# Altium PCB AT short bus ( 7 x 4.2 inches).PCBDOC (part 1 of 4)
Units mil, origin at the board's own origin, x right, y up, seen from the top; angles counter-clockwise.
Board outline 7000 x 4200 mil, 2 copper layers (TopLayer, BottomLayer), stack 65.792 mil thick; 180 components, 429 nets, 1316 pads, 545 vias.
Unrouted connection lines stored in the file: 1.
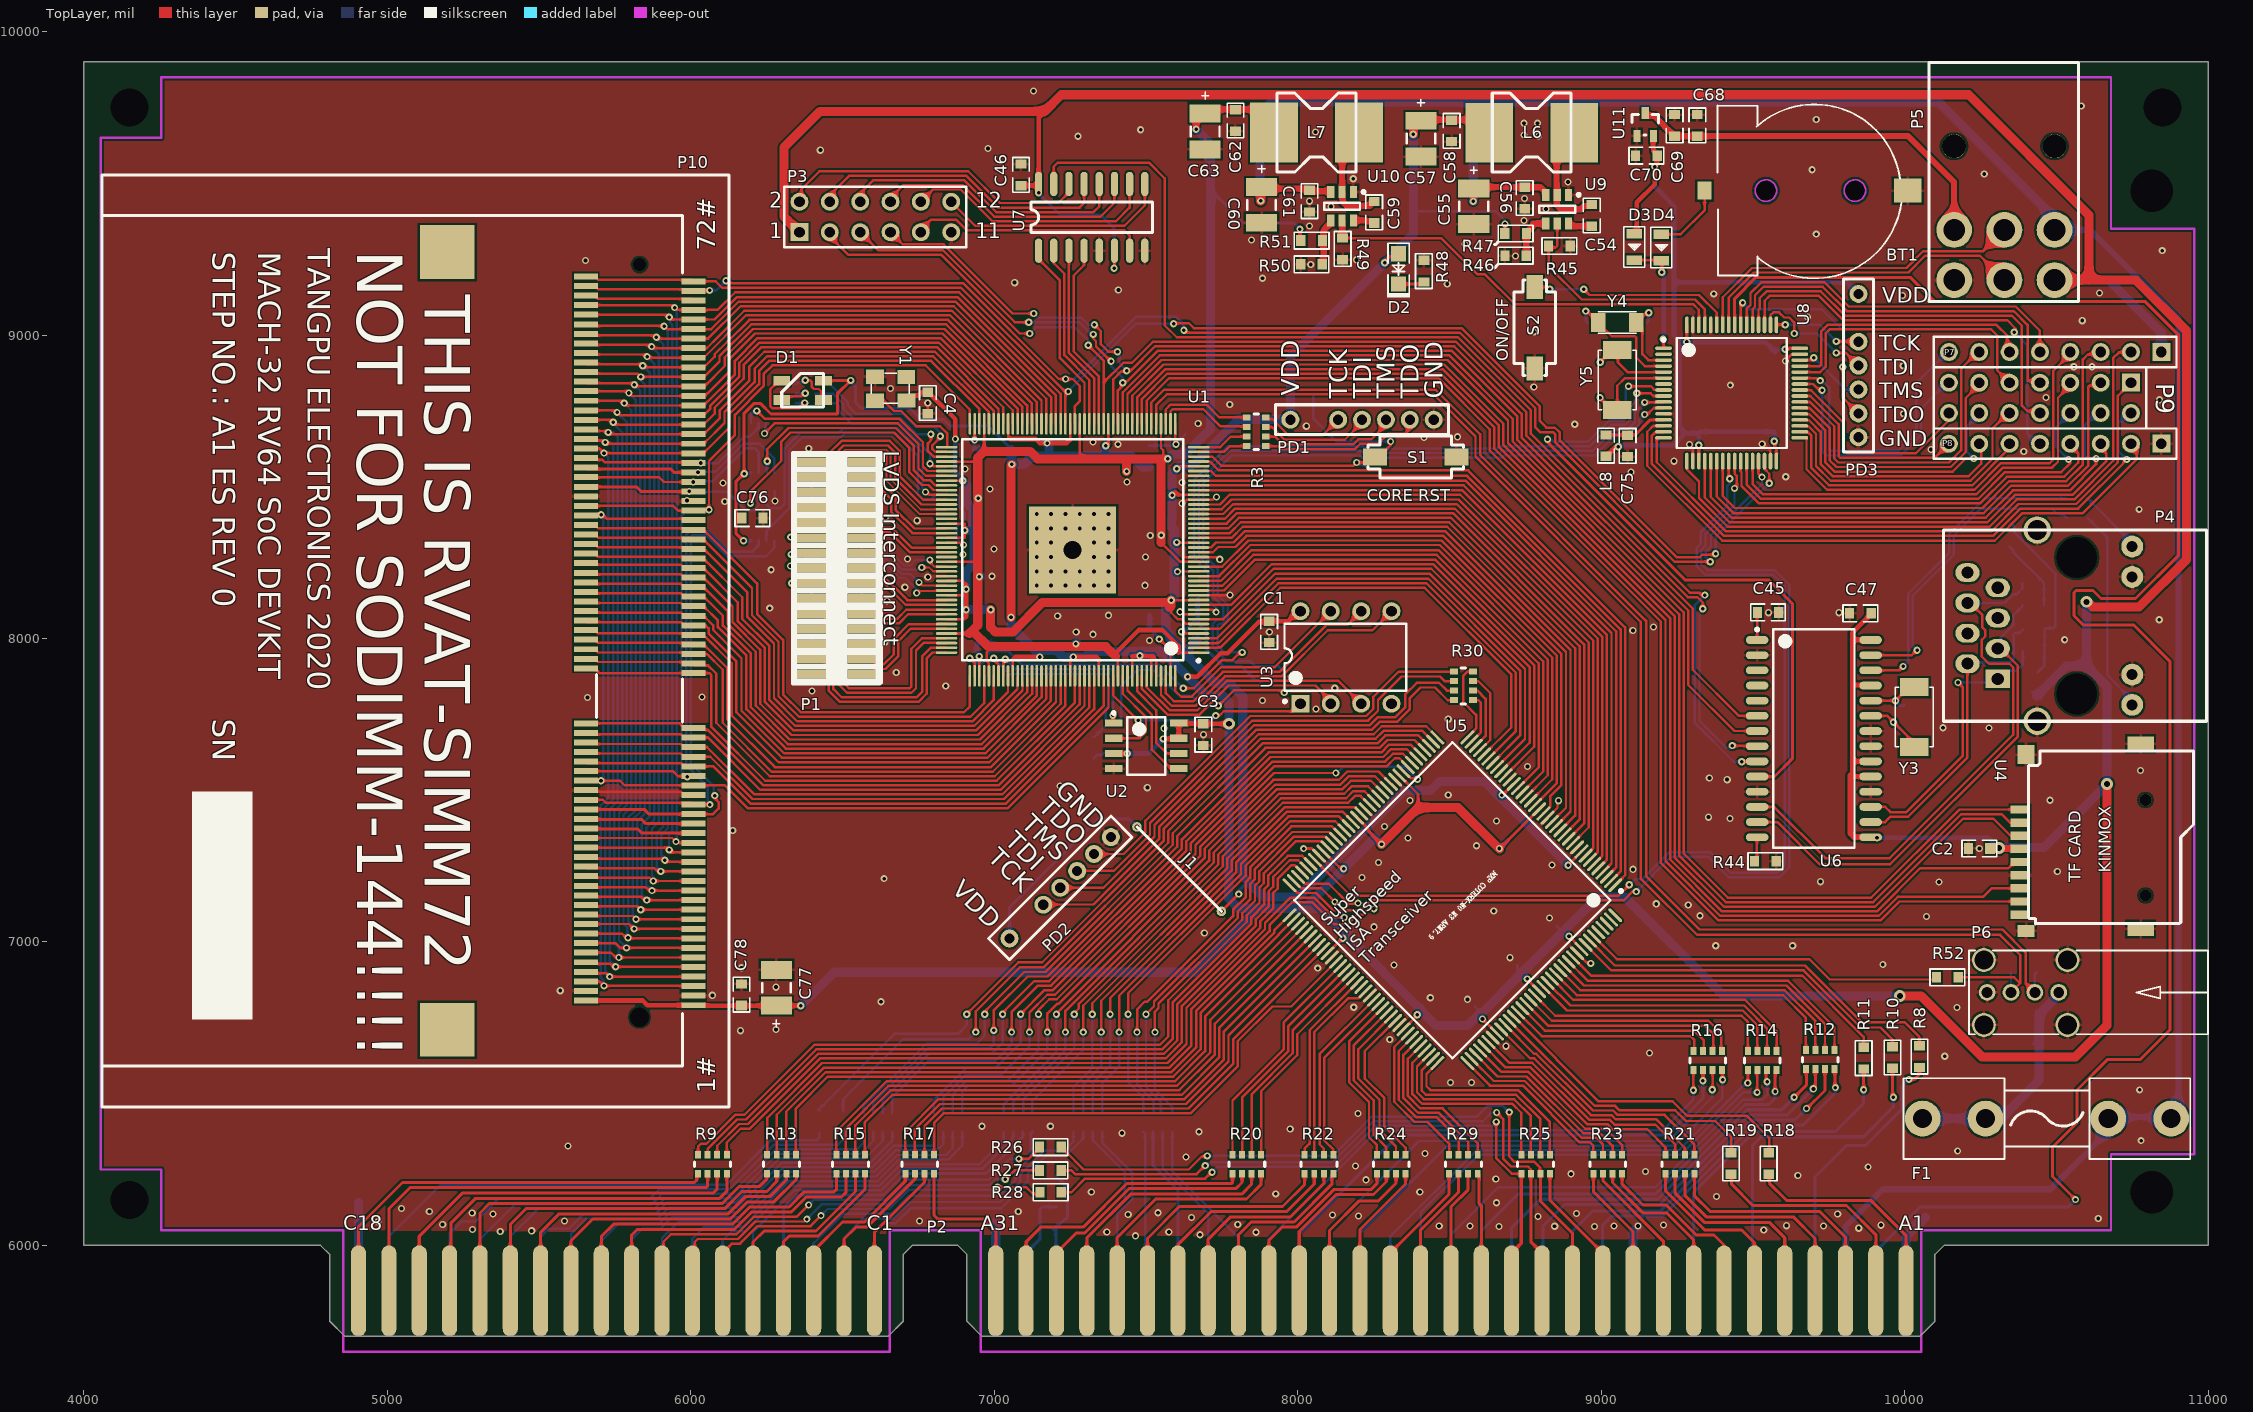
[diagram p0: TopLayer view]
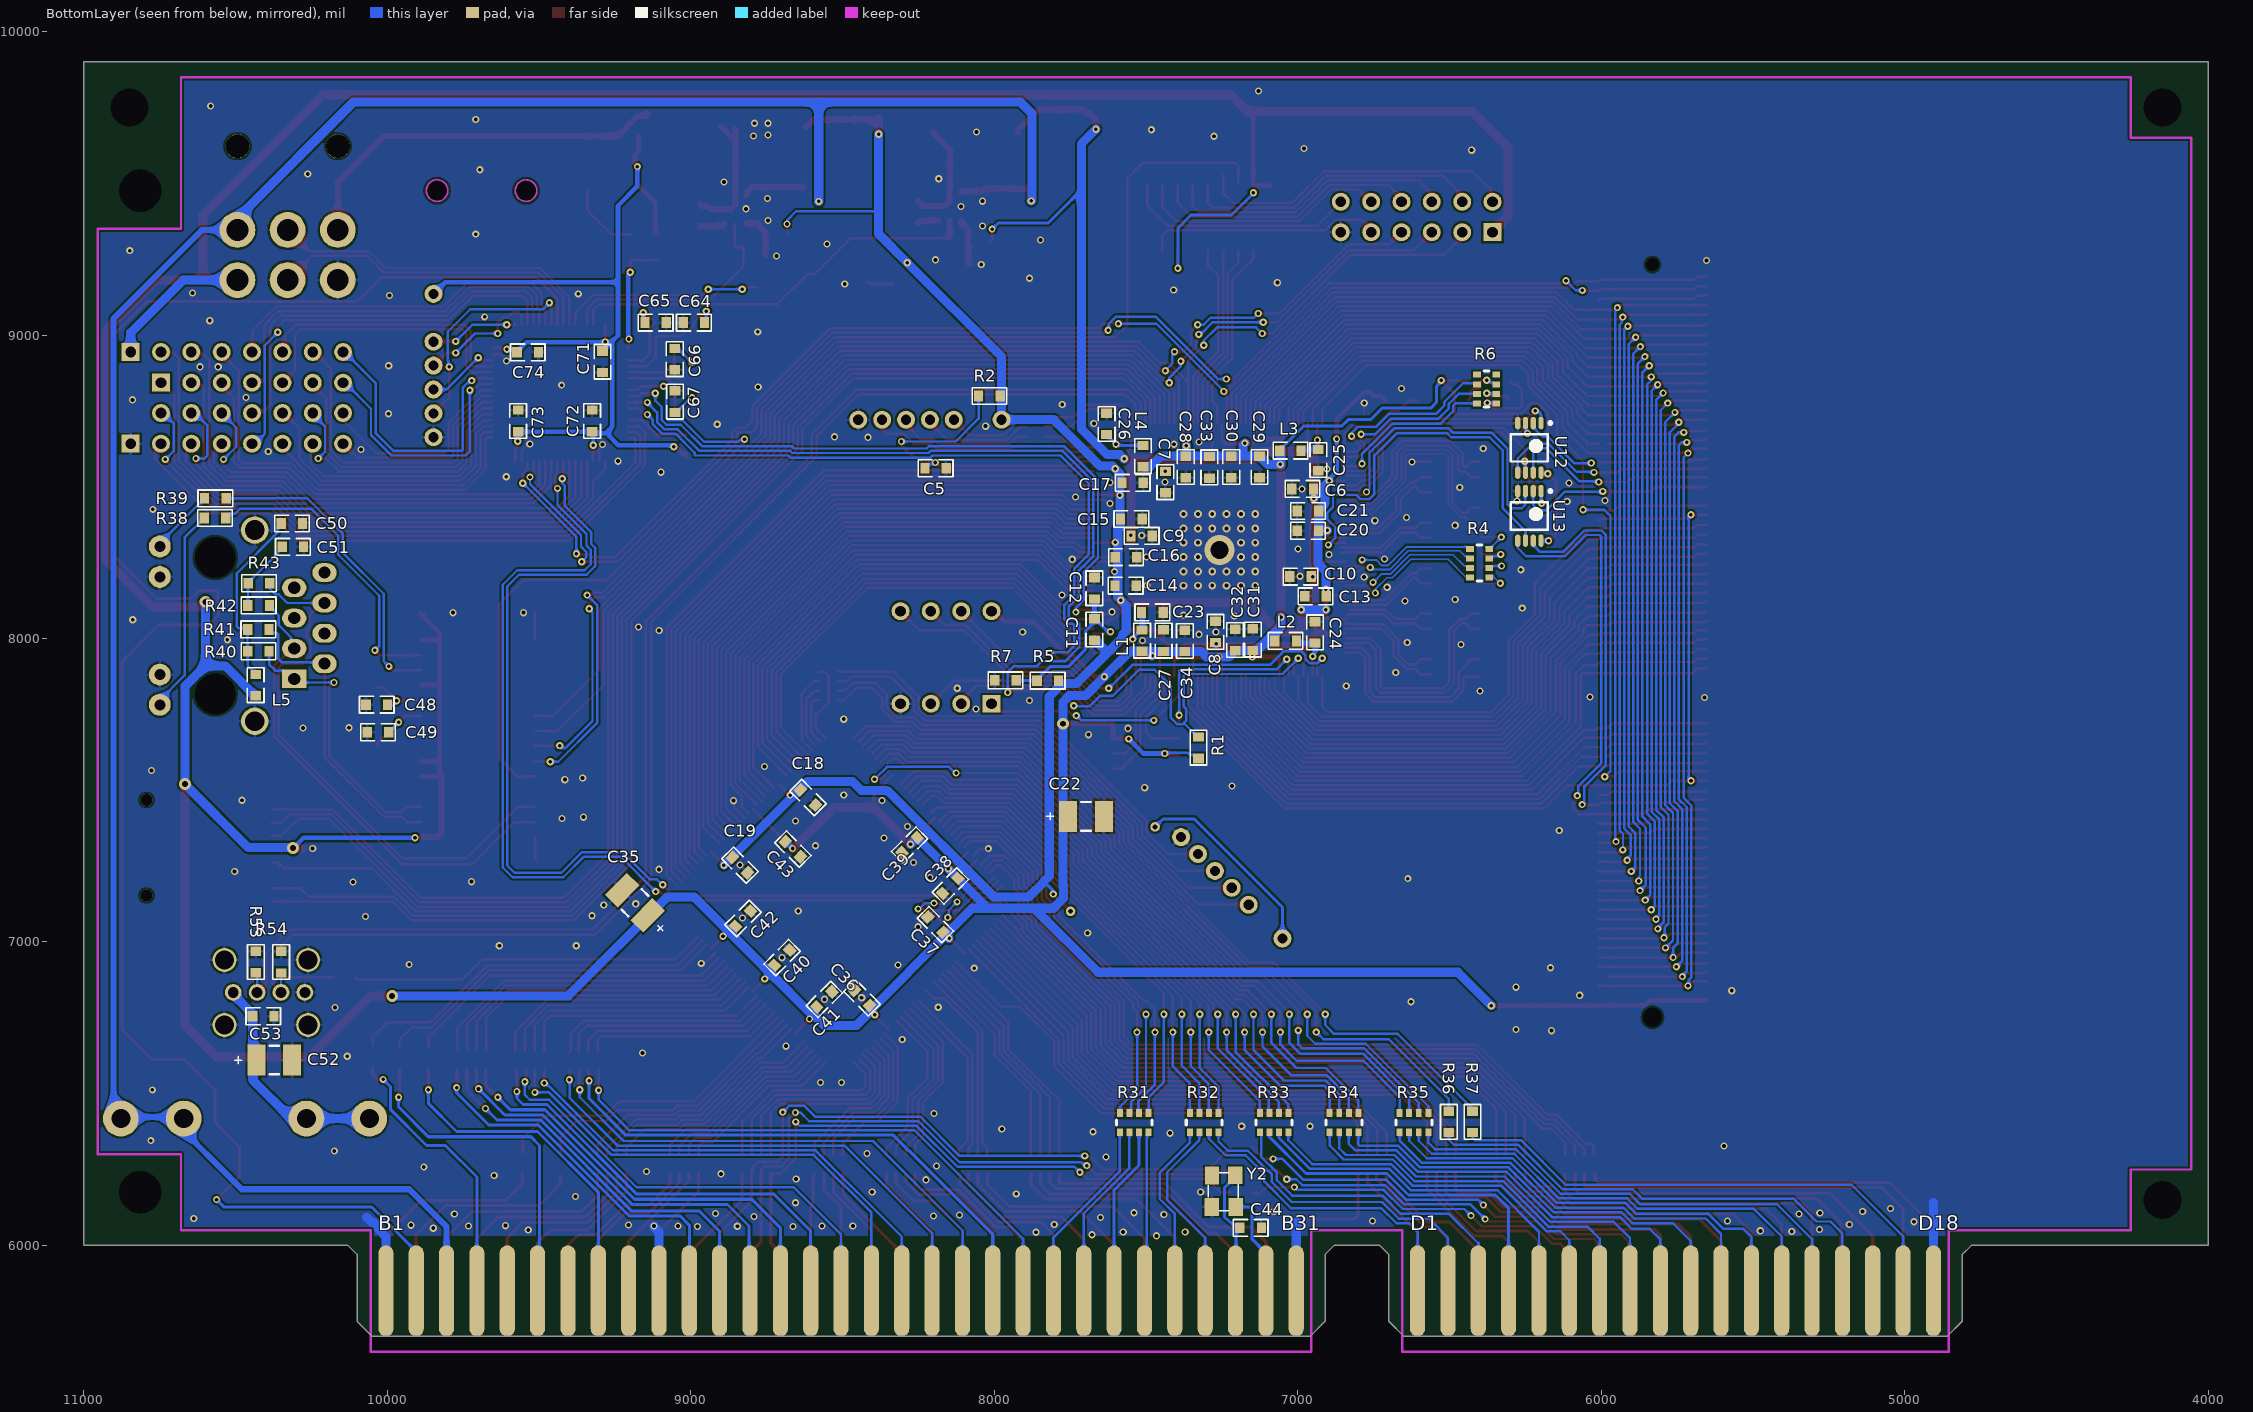
[diagram p1: BottomLayer view, seen from below]

## Layer stack, top to bottom
TopSolder: solder mask 0.4, Solder Resist, Dk 3.5
TopLayer: signal copper 1.4
Dielectric5: core 62.9921, FR-4, Dk 4.8
BottomLayer: signal copper 1.4
BottomSolder: solder mask 0.4, Solder Resist, Dk 3.5

## Board outline
4000,6000 4780,6000 4810,5970 4810,5750 4860,5700 6650,5700 6700,5750 6700,5970 6730,6000 6880,6000 6910,5970 6910,5750 6960,5700 10050,5700 10100,5750 10100,5970 10130,6000 11000,6000 11000,9900 4000,9900

## Design rules (kind name [scope] priority, off if disabled: settings)
Clearance [All] p1: gap=7 ignorepadtopadclearanceinfootprint=FALSE
ComponentClearance [All] p1 off: gap=10 collisioncheckmode=3 verticalgap=10 showdistances=FALSE
DiffPairsRouting [All] p1: maxlimit=10 minlimit=7 mostfreqgap=10 toplayer_minwidth=6 toplayer_maxwidth=15 toplayer_prefwidth=8 bottomlayer_minwidth=6 bottomlayer_maxwidth=15 bottomlayer_prefwidth=8 maxuncoupledlength=500
FabricationTestPointUsage TestPointUsage [All] p1: valid=0 allowmultiple=FALSE
FabricationTestpoint Testpoint [All] p1: side=3 testpointundercomponent=TRUE minsize=40 maxsize=100 preferedsize=60 minholesize=20 maxholesize=40 preferedholesize=32 testpointgrid=1 allowsidetop=TRUE allowsidebottom=TRUE usegrid=TRUE gridtolerance=0.01
PasteMaskExpansion PasteMaskExpansion_1 [InComponent('P1')] p1: expansion=-150
PasteMaskExpansion [All] p2: expansion=0
PlaneClearance [All] p1: clearance=10
PlaneConnect [All] p1: pad.planeconnectstyle=Relief pad.reliefexpansion=20 pad.reliefentries=4 pad.reliefconductorwidth=10 pad.reliefairgap=10 via.planeconnectstyle=Direct via.reliefexpansion=20 via.reliefentries=4 via.reliefconductorwidth=10 via.reliefairgap=10
PolygonConnect [All] p1: thpad.connectstyle=Relief thpad.reliefconductorwidth=10 thpad.reliefentries=4 thpad.polygonreliefangle="90 Angle" thpad.airgapwidth=7 smdpad.connectstyle=Relief smdpad.reliefconductorwidth=10 smdpad.reliefentries=4 smdpad.polygonreliefangle="90 Angle" smdpad.airgapwidth=7 via.connectstyle=Direct via.reliefconductorwidth=10 via.reliefentries=4 via.polygonreliefangle="90 Angle" via.airgapwidth=10
RoutingVias [All] p1: holewidth=11.81 width=23.62 viastyle="Through Hole" minholewidth=11.81 minwidth=23.62 maxholewidth=28 maxwidth=50
SilkToSolderMaskClearance SilkscreenOverComponentPads [IsPad] p1: minsilkscreentomaskgap=10 clearancetoexposedcopper=TRUE
SolderMaskExpansion [All] p1: expansion=2
Width [All] p1: maxlimit=30 minlimit=6 preferedwidth=10
22 further rules are at their usual default settings.

## Classes and differential pairs
component class MEM: C76 C77 C78 C? P10 P? U12 U13
component class MISC: BT1 BT? C45 C46 C47 C48 C49 C50 C51 C52 C53 C54 C55 C56 C57 C58 C59 C60 C61 C62 C63 C64 C65 C66 C67 C68 C69 C70 C71 C72 C73 C74 C75 C? D2 D3 D4 D? F1 F? J1 J? L5 L6 L7 L8 L? P3 P4 P5 P6 P7 P8 P9 P? PD3 PD? R38 R39 R40 R41 R42 R43 R44 R45 R46 R47 R48 R49 R50 R51 R52 R53 R54 S2 S? U6 U7 U8 U9 U10 U11 Y3 Y4 Y5 Y?
component class FPGA_CorePeripherals: C1 C2 C3 C4 C5 C6 C7 C8 C9 C10 C11 C12 C13 C14 C15 C16 C17 C18 C19 C20 C21 C22 C23 C24 C25 C26 C27 C28 C29 C30 C31 C32 C33 C34 C? D1 D? L1 L2 L3 L4 L? P1 P? PD1 PD? R1 R2 R3 R4 R5 R6 R7 S1 S? U1 U2 U3 U4 Y1 Y?
component class "AT short bus ( 7 x 4.2 inches)": C35 C36 C37 C38 C39 C40 C41 C42 C43 C44 C? P2 P? PD2 PD? R8 R9 R10 R11 R12 R13 R14 R15 R16 R17 R18 R19 R20 R21 R22 R23 R24 R25 R26 R27 R28 R29 R30 R31 R32 R33 R34 R35 R36 R37 U5 Y2 Y?
differential pair LVDS3: +LVDS3_P -LVDS3_N
differential pair LVDSC: +LVDSC_P -LVDSC_N
differential pair LVDS7: +LVDS7_P -LVDS7_N
differential pair LVDS6: +LVDS6_P -LVDS6_N
differential pair LVDS5: +LVDS5_P -LVDS5_N
differential pair LVDS4: +LVDS4_P -LVDS4_N
differential pair LVDS2: +LVDS2_P -LVDS2_N
differential pair LVDS1: +LVDS1_P -LVDS1_N
differential pair LVDS0: +LVDS0_P -LVDS0_N
differential pair USB: +USB_P -USB_N

## Components (designator, comment, footprint, x,y, rotation, side; value= is the part's Value field where it differs from the comment)
BT1 "Battery" BAT-CR1220 9543,9476 r270 top locked
C1 "Cap" 0603C 7906,8022 r90 top value=0.1u
C2 "Cap" 0603C 10246,7308 r0 top value=0.1u
C3 "Cap" 0603C 7689,7683 r90 top value=0.1u
C4 "Cap" 0603C 6781,8776 r90 top value=0.1u
C5 "Cap" 0603C 8193,8561 r180 bottom value=0.1u
C6 "Cap" 0603C 6984,8493 r0 bottom value=0.1u
C7 "Cap" 0603C 7436,8515 r270 bottom value=0.1u
C8 "Cap" 0603C 7271,8022 r90 bottom value=0.1u
C9 "Cap" 0603C 7514.43,8338 r180 bottom value=0.1u
C10 "Cap" 0603C 6991,8204 r0 bottom value=0.1u
C11 "Cap" 0603C 7670,8029.57 r90 bottom value=0.1u
C12 "Cap" 0603C 7670,8165.57 r90 bottom value=0.1u
C13 "Cap" 0603C 6941.57,8139 r0 bottom value=0.1u
C14 "Cap" 0603C 7567,8174 r180 bottom value=0.1u
C15 "Cap" 0603C 7548.43,8393.7 r180 bottom value=0.1u
C16 "Cap" 0603C 7566,8268 r180 bottom value=0.1u
C17 "Cap" 0603C 7544,8513 r180 bottom value=0.1u
C18 "Cap" 0603C 8614,7476 r225 bottom value=0.1u
C19 "Cap" 0603C 8838,7253 r225 bottom value=0.1u
C20 "Cap" 0603C 6966.43,8355 r0 bottom value=0.1u
C21 "Cap" 0603C 6966,8420 r0 bottom value=0.1u
C22 "330u" TanCap-1210 7698,7414 r180 bottom value=330uF
C23 "Cap" 0603C 7479,8086 r180 bottom value=0.1u
C24 "Cap" 0603C 6943,8020.43 r90 bottom locked value=0.1u
C25 "Cap" 0603C 6932,8588 r270 bottom value=0.1u
C26 "Cap" 0603C 7630,8707 r90 bottom value=0.1u
C27 "Cap" 0603C 7442,7993 r90 bottom value=0.1u
C28 "Cap" 0603C 7369,8565 r270 bottom value=0.1u
C29 "Cap" 0603C 7126,8565 r270 bottom value=0.1u
C30 "Cap" 0603C 7219,8565 r270 bottom value=0.1u
C31 "Cap" 0603C 7148,7996 r90 bottom value=0.1u
C32 "Cap" 0603C 7206,7995 r90 bottom value=0.1u
C33 "Cap" 0603C 7291,8564 r270 bottom value=0.1u
C34 "Cap" 0603C 7372,7992 r90 bottom value=0.1u
C35 "330u" TanCap-1210 9184,7129 r45 bottom value=330uF
C36 "Cap" 0603C 8435.95,6815.95 r45 bottom value=0.1u
C37 "Cap" 0603C 8194,7057 r45 bottom value=0.1u
C38 "Cap" 0603C 8145,7185 r315 bottom value=0.1u
C39 "Cap" 0603C 8279,7319 r315 bottom value=0.1u
C40 "Cap" 0603C 8699,6948 r135 bottom value=0.1u
C41 "Cap" 0603C 8560,6811 r135 bottom value=0.1u
C42 "Cap" 0603C 8828,7077 r135 bottom value=0.1u
C43 "Cap" 0603C 8663.78,7305.89 r225 bottom value=0.1u
C44 "Cap" 0603C 7155,6058 r0 bottom value=0.1u
C45 "Cap" 0603C 9550,8086 r0 top value=10uF
C46 "Cap" 0603C 7088,9528 r270 top value=0.1u
C47 "Cap" 0603C 9854,8083 r0 top value=0.1u
C48 "Cap" 0603C 10035,7782 r0 bottom value=30pF
C49 "Cap" 0603C 10031,7691 r0 bottom value=30pF
C50 "Cap" 0603C 10314.57,8379 r0 bottom value=103
C51 "Cap" 0603C 10311.57,8302 r0 bottom value=103
C52 "330u" TanCap-1210 10372.83,6610.63 r180 bottom value=330uF
C53 "106" 0603C 10409.06,6755.12 r0 bottom value=33uF
C54 "104" 0603C 8969,9394.19 r270 top value=100nF
C55 "330u" TanCap-1210 8580.18,9424.42 r270 top
C56 "106" 0603C 8748,9451.57 r90 top value=10uF
C57 "330u" TanCap-1210 8406,9647 r270 top value=330uF
C58 "106" 0603C 8507,9673 r90 top value=33uF
C59 "104" 0603C 8251.82,9404.58 r270 top value=100nF
C60 "330u" TanCap-1210 7880.82,9429.15 r270 top
C61 "106" 0603C 8038.82,9441.15 r90 top value=10uF
C62 "330u" TanCap-1210 7694.82,9671.15 r270 top value=330uF
C63 "106" 0603C 7794.82,9707.15 r90 top value=33uF
C64 "Cap" 0603C 8990.01,9041 r0 bottom value=6pF
C65 "Cap" 0603C 9115.99,9041 r180 bottom value=6pF
C66 "Cap" 0603C 9053,8920.43 r270 bottom value=6pF
C67 "Cap" 0603C 9052,8780.57 r90 bottom value=6pF
C68 "Cap" 0603C 9317,9691 r270 top value=10u
C69 "Cap" 0603C 9242,9691 r270 top value=0.1u
C70 "Cap" 0603C 9149,9591 r0 top value=0.1u
C71 "Cap" 0603C 9291,8912 r90 bottom value=10u
C72 "Cap" 0603C 9325,8717 r270 bottom value=0.1u
C73 "Cap" 0603C 9569,8717 r270 bottom value=0.1u
C74 "Cap" 0603C 9537.43,8943 r0 bottom value=0.1u
C75 "Cap" 0603C 9087,8635 r90 top locked value=0.1u
C76 "Cap" 0603C 6202.76,8396.85 r180 top value=0.1u
C77 "330u" TanCap-1210 6282,6849 r90 top value=330uF
C78 "106" 0603C 6167,6826 r270 top value=33uF
D1 "RGB_LED_3528_CA" LED3528-RGB 6368.57,8817.35 r0 top
D2 "LED0" 0805LED1 8332.28,9217.72 r270 top
D3 "MSCD102H" 0805LED2 9109,9333.61 r270 top
D4 "MSCD102H" 0805LED2 9198,9332 r270 top
F1 "Fuse 2" Fusebux_5x20 10877.79,6419.06 r180 top locked
J1 "Jumper" "Jumper 10mm" 7748.47,7100.75 r135 top
L1 "Inductor" 0603C 7513,7993 r270 bottom value=BEAD
L2 "Inductor" 0603C 7040,7992 r0 bottom value=BEAD
L3 "Inductor" 0603C 7024,8619 r0 bottom value=BEAD
L4 "Inductor" 0603C 7510,8601 r270 bottom value=BEAD
L5 "Inductor" 0603C 10434,7846 r270 bottom value=BEAD
L6 "10uH" PIND0650 8771,9667 r180 top
L7 "10uH" PIND0650 8061.82,9667.15 r180 top
L8 "Inductor" 0603C 9016,8635.43 r270 top locked value=BEAD
P1 "Header 15X2" BTB_1.27mm_2x10_SMT 6397.65,8582 r0 top locked
P2 "PCATEDGE" PCATEDGE 10005,5850 r0 top locked
P3 "Header 6X2" HDR2X6 6358,9339 r0 top
P4 "HR911105A" HR911105A 10307.09,7867 r0 top locked
P5 "Header 3X2" PWRCONN-6P 10163.29,9346.41 r270 top locked
P6 "USB_A_1" USB-A_1 10508,6834 r90 top locked
P7 "Header 8" HDR1X8 10846,8944 r180 top locked
P8 "Header 8" HDR1X8 10846,8642 r180 top locked
P9 "Header 7X2" HDR2X7_U 10746,8843 r180 top locked
P10 "AT_SIMM72" ATSIMM72 4986.17,8051.94 r90 top locked
PD1 "JTAG" DBGP7 7975.78,8721 r90 top locked
PD2 "JTAG" DBGP7 7050.29,7011.29 r135 top
PD3 "JTAG" DBGP7 9848,9135.48 r0 top locked
R1 "Res1" 0603R 7327,7640 r270 bottom value=10K
R2 "Res1" 0603R 8016,8799 r180 bottom value=10K
R3 "33" YC164 7894.99,8728.5 r270 top
R4 "1K" YC164 6431.99,8201.01 r90 bottom
R5 "Res1" 0603R 7823.87,7861 r0 bottom value=10K
R6 "330" YC164 6409.13,8774.74 r90 bottom locked
R7 "Res1" 0603R 7963,7862 r0 bottom value=10K
R8 "Res1" 0603R 10049,6622 r90 top value=1K
R9 "1K" YC164 6024.01,6298.99 r0 top
R10 "Res1" 0603R 9960,6619 r90 top value=1K
R11 "Res1" 0603R 9865,6617 r90 top value=1K
R12 "1K" YC164 9769,6581 r180 top
R13 "1K" YC164 6251.67,6298.99 r0 top
R14 "1K" YC164 9577.99,6578.01 r180 top
R15 "1K" YC164 6479.34,6298.99 r0 top
R16 "1K" YC164 9398.57,6578.01 r180 top
R17 "1K" YC164 6707.01,6298.99 r0 top
R18 "Res1" 0603R 9552,6270 r90 top value=1K
R19 "Res1" 0603R 9428,6270 r90 top value=1K
R20 "1K" YC164 7785.01,6298.99 r0 top
R21 "1K" YC164 9306.99,6236 r180 top
R22 "1K" YC164 8022.92,6298.99 r0 top
R23 "1K" YC164 9069.08,6236 r180 top
R24 "1K" YC164 8260.84,6298.99 r0 top
R25 "1K" YC164 8831.16,6236 r180 top
R26 "Res1" 0603R 7185,6324 r0 top value=0R
R27 "Res1" 0603R 7185,6247 r0 top value=0R
R28 "Res1" 0603R 7186,6175 r0 top value=0R
R29 "1K" YC164 8498.76,6298.99 r0 top
R30 "33" YC164 8515.01,7796.5 r90 top
R31 "1K" YC164 7586,6436 r180 bottom
R32 "1K" YC164 7355.54,6436 r180 bottom
R33 "1K" YC164 7125.09,6436 r180 bottom
R34 "1K" YC164 6894.63,6436 r180 bottom
R35 "1K" YC164 6664.17,6436 r180 bottom
R36 "Res1" 0603R 6502,6407 r90 bottom value=1K
R37 "Res1" 0603R 6424,6407 r90 bottom value=1K
R38 "Res1" 0603R 10568,8397 r180 bottom value=330
R39 "Res1" 0603R 10567,8462 r180 bottom value=330
R40 "Res1" 0603R 10425,7958 r0 bottom value=50R
R41 "Res1" 0603R 10425.43,8030 r0 bottom value=50R
R42 "Res1" 0603R 10424,8109 r0 bottom value=50R
R43 "Res1" 0603R 10423,8182 r0 bottom value=50R
R44 "Res1" 0603R 9541,7266 r0 top value=2K
R45 "10K" 0603R 8862.18,9293.42 r0 top
R46 "3K2" 0603R 8718,9261.62 r0 top value=4.7K
R47 "10K" 0603R 8718,9334.62 r180 top value=10k
R48 "Res1" 0603R 8415.75,9210.63 r90 top value=330
R49 "10K" 0603R 8147.82,9284.15 r270 top
R50 "3K2" 0603R 8045.39,9233.15 r0 top value=5.4k
R51 "10K" 0603R 8045.82,9311.15 r180 top value=3k
R52 "Res1" 0603R 10140.7,6883.5 r0 top value=1.5K
R53 "Res1" 0603R 10433.6,6933.9 r90 bottom value=15K
R54 "Res1" 0603R 10349.9,6933.6 r90 bottom value=15K
S1 "SW-PB" Switch_SMT-022S-H2.5 8389,8598 r0 top
S2 "SW-PB" Switch_SMT-022S-H2.5 8781,9024 r270 top
U1 "EG4S10DDR" EQFP176 7258,8292 r180 top locked
U2 "W25Q16" SOP8N-127P600X200 7501,7646 r0 top locked
U3 "W25Q64" DIP8 8159,7943 r90 top locked
U4 "SD_Card" TF_self-eject 10380.36,7436.46 r90 top locked
U5 "ELF-650" LQFP144-1 9046.24,7186.78 r225 top locked
U6 "ENC28J60" SOIC28P1040X265 9701,7670 r0 top locked
U7 "74LVC138" SO-16 7146,9278 r90 top locked
U8 "GD32VF103Rx" QFP12X12-64(N) 9430,8809 r0 top locked
U9 "MP1470" SOT95P245X110-6N 8855,9414.76 r270 top
U10 "MP1470" SOT95P245X110-6N 8146.24,9424.34 r270 top
U11 "PT5110-3V3" SOT323-N 9145,9694 r0 top
U12 "74LVC3G17" TSSOP-8N_3x3 6236.61,8628.35 r270 bottom locked
U13 "74LVC3G17" TSSOP-8N_3x3 6236.61,8404.13 r270 bottom locked
Y1 "Osc 50MM" XTAL-3225 6659,8823 r270 top
Y2 "Osc 14.318M" XTAL-3225 7244,6179 r180 bottom
Y3 "25M" XTAL-5032 10032,7741 r270 top
Y4 "32768" XTAL-3215 9053,9041 r0 top locked
Y5 "8M" XTAL-5032 9053,8852 r270 top locked

## Footprints (in the part's own frame and the unit in brackets; to place one, negate y for a bottom-side part, rotate by r counter-clockwise, add the part's x,y. Pads: shape width x height; smd on the part's side, far side on the other; paste and mask are expansions set on the pad)
0603C [mm]
  rect 0.762x0.9 smd: 1(-0.9,0)
  rect 0.8x0.9 smd: 2(0.9,0)
  silkscreen extent -1.45,-0.7 1.45,0.7
0603R [mm]
  rect 0.762x0.9 smd: 1(-0.9,0)
  rect 0.8x0.9 smd: 2(0.9,0)
  silkscreen extent -1.45,-0.7 1.45,0.7
0805LED1 [mil]
  rect 50x50 smd: 1(-50,0) 2(50,0)
  silkscreen extent -85,-37 94,37
0805LED2 [mm]
  rect 0.8x1.27 smd: 1(0,0) 2(2.2,0)
  silkscreen extent -0.6,-0.89 2.8,0.89
ATSIMM72 [mm]
  rect 4.5x4.6 smd: 0(-34.07,-5.363) 0(31.03,-5.363)
  round 0.5 hole 1.6: 0(-33.02,-21.463)
  round 0.5 hole 1.1: 0(29.98,-21.463)
  rect 0.5x2 smd: 1(-32.02,-25.963) 1(-31.62,-16.963) 2(-31.22,-25.963) 2(-30.82,-16.963) 3(-30.42,-25.963) 3(-30.02,-16.963) 4(-29.62,-25.963) 4(-29.22,-16.963) 5(-28.82,-25.963) 5(-28.42,-16.963) 6(-28.02,-25.963) 6(-27.62,-16.963) 7(-27.22,-25.963) 7(-26.82,-16.963) 8(-26.42,-25.963) 8(-26.02,-16.963) 9(-25.62,-25.963) 9(-25.22,-16.963) 10(-24.82,-25.963) 10(-24.42,-16.963) 11(-24.02,-25.963) 11(-23.62,-16.963) 12(-23.22,-25.963) 12(-22.82,-16.963) 13(-22.42,-25.963) 13(-22.02,-16.963) 14(-21.62,-25.963) 14(-21.22,-16.963) 15(-20.82,-25.963) 15(-20.42,-16.963) 16(-20.02,-25.963) 16(-19.62,-16.963) 17(-19.22,-25.963) 17(-18.82,-16.963) 18(-18.42,-25.963) 18(-18.02,-16.963) 19(-17.62,-25.963) 19(-17.22,-16.963) 20(-16.82,-25.963) 20(-16.42,-16.963) 21(-16.02,-25.963) 21(-15.62,-16.963) 22(-15.22,-25.963) 22(-14.82,-16.963) 23(-14.42,-25.963) 23(-14.02,-16.963) 24(-13.62,-25.963) 24(-13.22,-16.963) 25(-12.82,-25.963) 25(-12.42,-16.963) 26(-12.02,-25.963) 26(-11.62,-16.963) 27(-11.22,-25.963) 27(-10.82,-16.963) 28(-10.42,-25.963) 28(-10.02,-16.963) 29(-9.62,-25.963) 29(-9.22,-16.963) 30(-8.82,-25.963) 30(-8.42,-16.963) 31(-4.22,-25.963) 31(-3.82,-16.963) 32(-3.42,-25.963) 32(-3.02,-16.963) 33(-2.62,-25.963) 33(-2.22,-16.963) 34(-1.82,-25.963) 34(-1.42,-16.963) 35(-1.02,-25.963) 35(-0.62,-16.963) 36(-0.22,-25.963) 36(0.18,-16.963) 37(0.58,-25.963) 37(0.98,-16.963) 38(1.38,-25.963) 38(1.78,-16.963) 39(2.18,-25.963) 39(2.58,-16.963) 40(2.98,-25.963) 40(3.38,-16.963) 41(3.78,-25.963) 41(4.18,-16.963) 42(4.58,-25.963) 42(4.98,-16.963) 43(5.38,-25.963) 43(5.78,-16.963) 44(6.18,-25.963) 44(6.58,-16.963) 45(6.98,-25.963) 45(7.38,-16.963) 46(7.78,-25.963) 46(8.18,-16.963) 47(8.58,-25.963) 47(8.98,-16.963) 48(9.38,-25.963) 48(9.78,-16.963) 49(10.18,-25.963) 49(10.58,-16.963) 50(10.98,-25.963) 50(11.38,-16.963) 51(11.78,-25.963) 51(12.18,-16.963) 52(12.58,-25.963) 52(12.98,-16.963) 53(13.38,-25.963) 53(13.78,-16.963) 54(14.18,-25.963) 54(14.58,-16.963) 55(14.98,-25.963) 55(15.38,-16.963) 56(15.78,-25.963) 56(16.18,-16.963) 57(16.58,-25.963) 57(16.98,-16.963) 58(17.38,-25.963) 58(17.78,-16.963) 59(18.18,-25.963) 59(18.58,-16.963) 60(18.98,-25.963) 60(19.38,-16.963) 61(19.78,-25.963) 61(20.18,-16.963) 62(20.58,-25.963) 62(20.98,-16.963) 63(21.38,-25.963) 63(21.78,-16.963) 64(22.18,-25.963) 64(22.58,-16.963) 65(22.98,-25.963) 65(23.38,-16.963) 66(23.78,-25.963) 66(24.18,-16.963) 67(24.58,-25.963) 67(24.98,-16.963) 68(25.38,-25.963) 68(25.78,-16.963) 69(26.18,-25.963) 69(26.58,-16.963) 70(26.98,-25.963) 70(27.38,-16.963) 71(27.78,-25.963) 71(28.18,-16.963) 72(28.58,-25.963) 72(28.98,-16.963)